# Altium PCB PCB_WINGLET_V1P_OSR.PcbDoc (part 3 of 4)
Units mm, origin at the board's own origin, x right, y up, seen from the top; angles counter-clockwise.
Board outline 100 x 150 mm, 4 copper layers (L1, L2, L3, L4), stack 1.586 mm thick; 401 components, 270 nets, 1431 pads, 1117 vias.
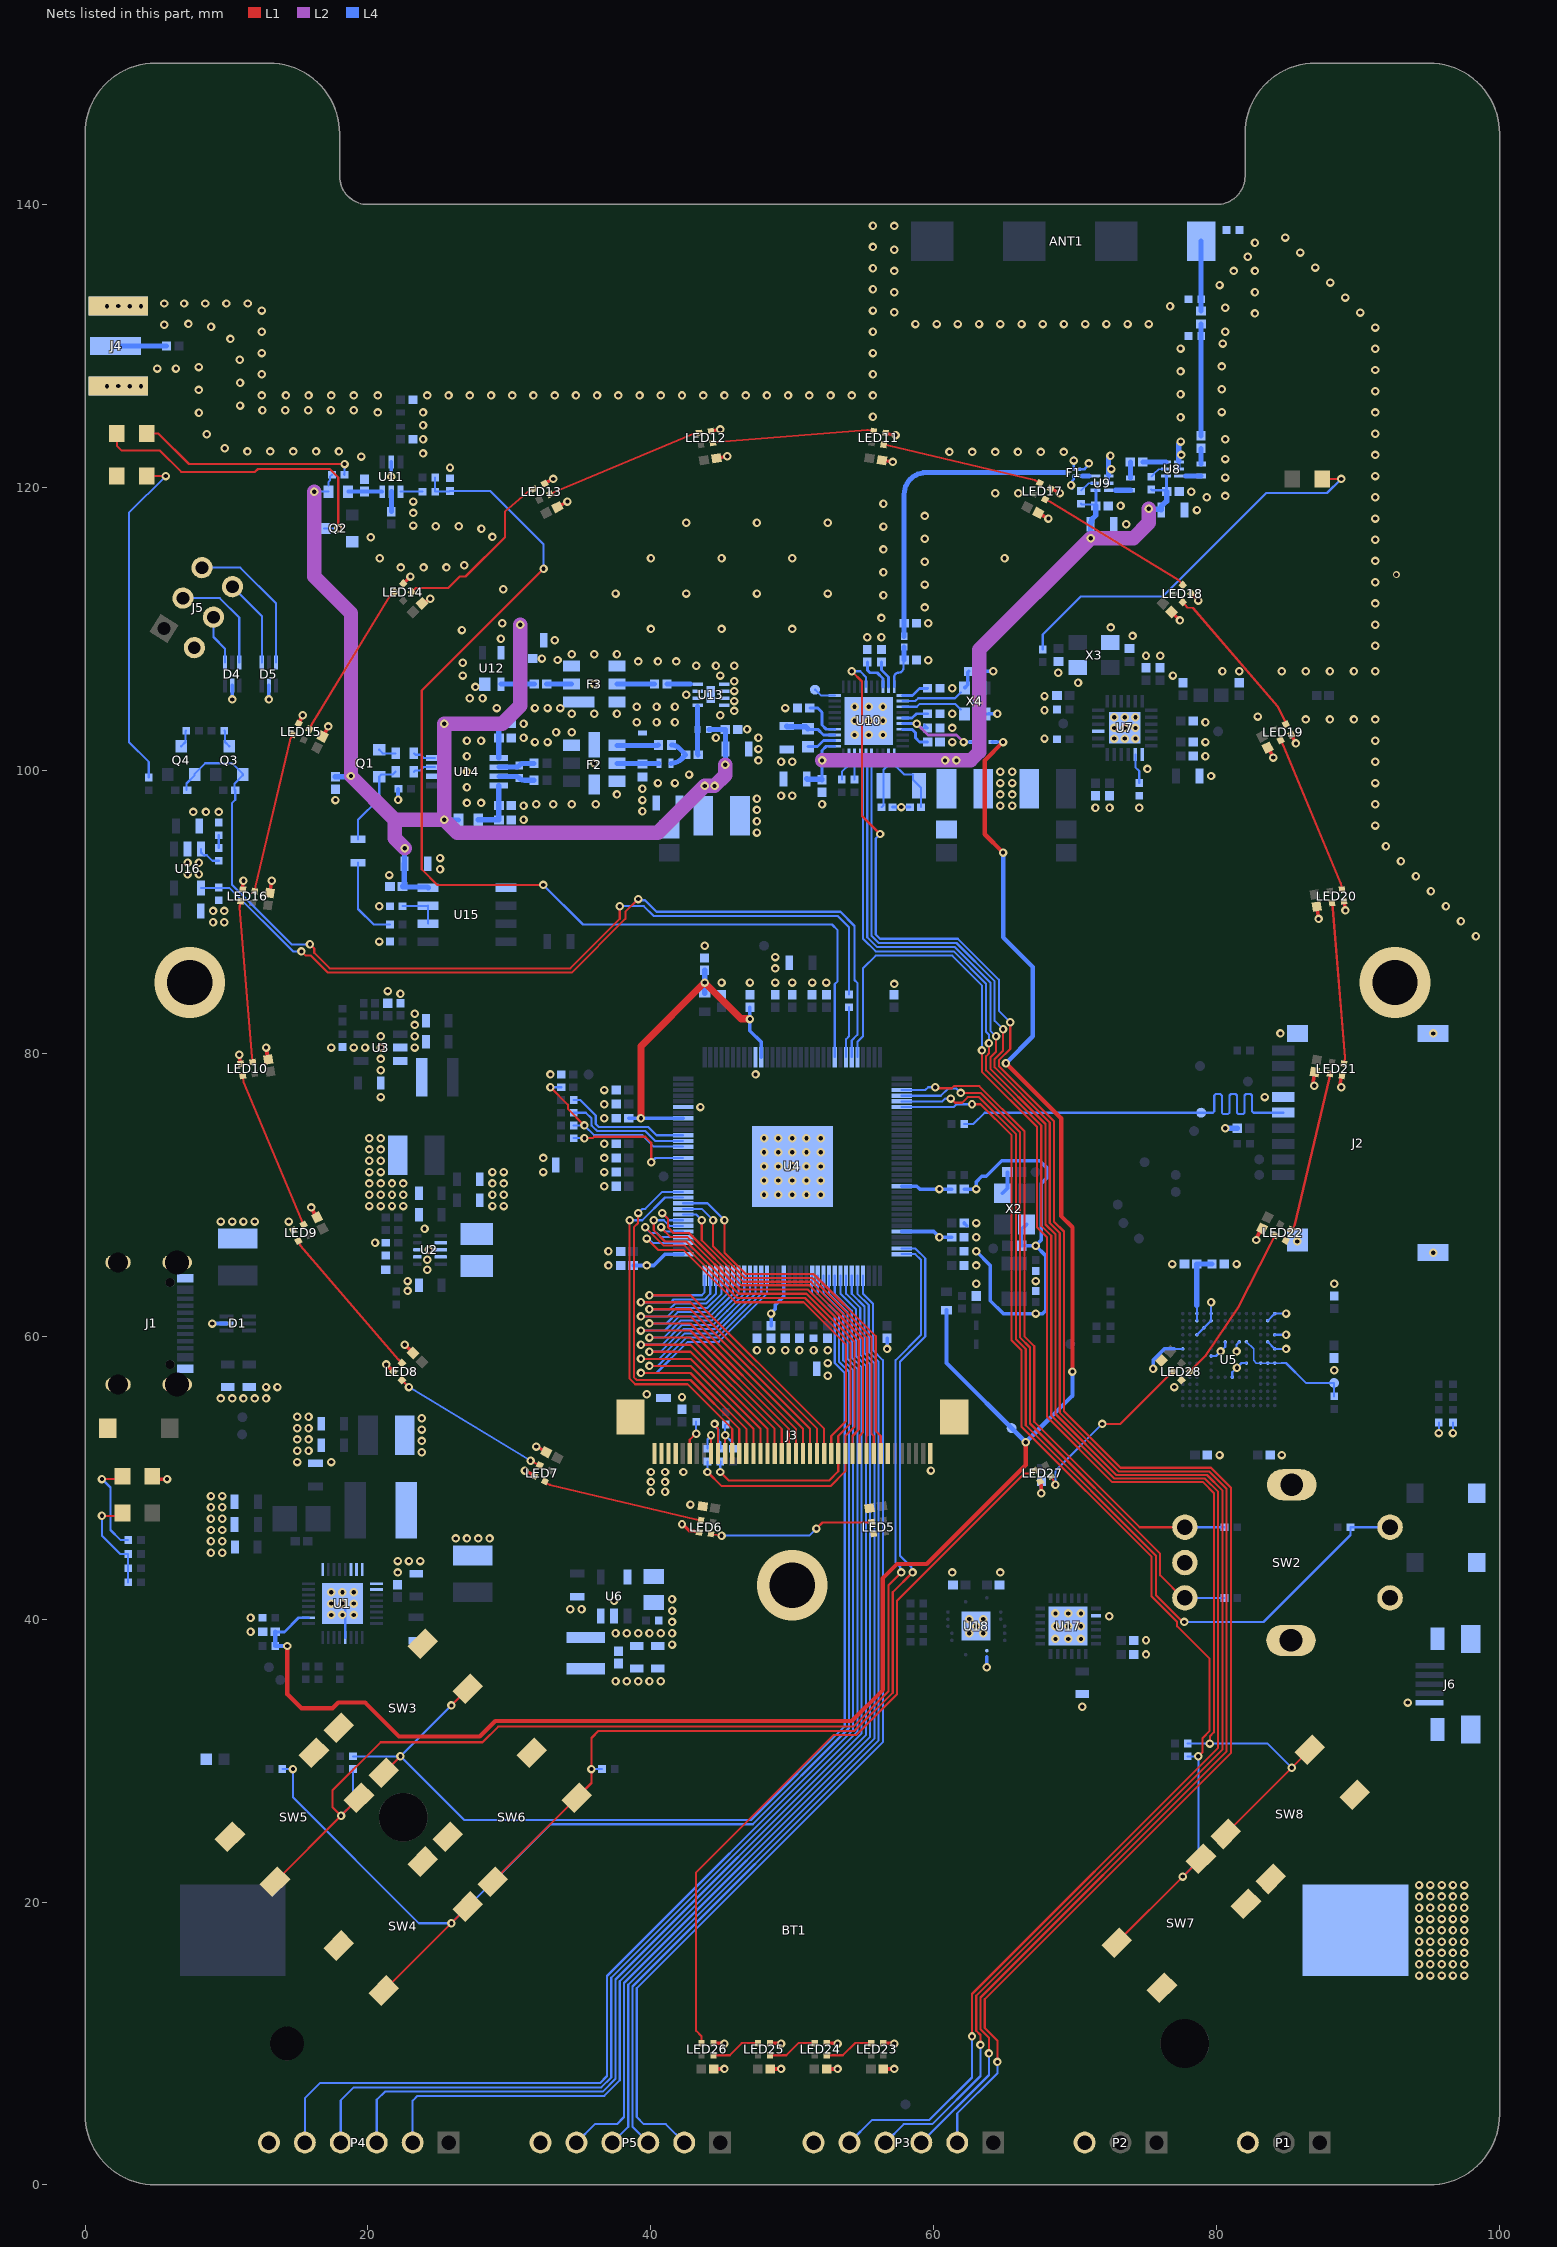
[diagram p5: the nets of this part, all layers, seen from the top]

## Via types
v1: diameter 0.6, hole 0.3, L1 to L4, tented both sides, 1103 vias
v2: diameter 0.61, hole 0.305, L1 to L4, tented both sides, 8 vias
v3: diameter 5, hole 3.2, L1 to L4, 3 vias
v4: diameter 10, hole 7, L1 to L4, 2 vias
v5: diameter 0.5, hole 0.3, L1 to L4, tented both sides, 1 vias

## Nets (pads, with @x,y where several pads share a name; then routed paths per layer and width w, separated by ;. In a path a pad name is that pad's centre, name@x,y a point inside that pad or via, vN(x,y) a via of type N, cw(c..) or ccw(c..) an arc to the next point about the centre after c; other vN are vias at no path point) (continued)
GND: BT1.1 C1.1 C2.1 C3.1 C4.1 C5.1 C6.1 C7.1 C8.1 C9.1 C10.1 C12.1 C13.1 C14.1 C15.1 C16.1 C17.1 C18.1 C19.1 C20.1 C21.1 C22.1 C23.1 C24.1 C25.1 C26.1 C27.1 C28.1 C29.1 C30.1 C31.1 C32.1 C33.1 C34.1 C35.1 C36.1 C37.1 C38.1 C39.1 C40.1 C41.1 C42.1 C43.1 C44.1 C45.1 C46.1 C47.1 C48.1 C49.1 C50.1 C51.1 C52.1 C53.1 C54.1 C55.1 C56.1 C57.1 C58.1 C59.1 C60.1 C61.1 C62.1 C63.1 C64.1 C65.1 C66.1 C67.1 C68.1 C69.1 C70.1 C71.1 C72.1 C73.1 C74.1 C75.1 C76.1 C78.1 C79.1 C80.1 C81.1 C82.1 C83.1 C84.1 C85.1 C86.1 C87.1 C88.1 C89.1 C90.1 C91.1 C92.1 C93.2 C94.1 C95.2 C98.1 C99.1 C100.1 C101.1 C102.1 C103.1 C104.1 C105.1 C106.1 C107.1 C108.1 C109.1 C110.1 C111.1 C112.1 C113.1 C116.1 C117.1 C118.1 C119.1 C120.1 C121.1 C122.1 C127.1 C128.1 C131.1 C132.1 C133.1 C134.1 C135.1 C136.1 C137.1 C138.1 C139.1 C140.1 C141.1 C142.1 C143.1 C144.1 C145.1 C146.1 C147.1 C148.1 C149.1 C150.1 C151.1 C152.1 C153.1 C154.1 C155.1 C156.1 C157.1 C158.1 C159.1 C160.1 C161.1 C162.1 C163.1 C164.1 C165.1 C166.1 C167.1 D1.2 D4.2 D5.2 F1.2 F1.3 F1.5 F2.3 F2.4 F2.7 F2.8 F3.1 F3.3 F3.4 F3.6 J1.1 J1.2 J1.3 J1.4 J1.A1-B12 J1.B1-A12 J2.6 J2.MNT J3.1 J3.7 J3.37 J3.MNT J4.2 J4.3 J4.4 J4.5 J5.2 J6.5 J6.MNT L10.2 LED2.1 LED5.3 LED6.3 LED7.3 LED8.3 LED9.3 LED10.3 LED11.3 LED12.3 LED13.3 LED14.3 LED15.3 LED16.3 LED17.3 LED18.3 LED19.3 LED20.3 LED21.3 LED22.3 LED23.3 LED24.3 LED25.3 LED26.3 LED27.3 LED28.3 LED29.1 P1.3 P2.3 P3.6 P4.6 P5.6 Q2.2 R6.1 R9.2 R14.2 R15.1 R16.2 R19.1 R22.2 R25.1 R28.1 R42.1 R43.2 R44.1 R45.1 R46.1 R53.1 R61.1 R63.1 R69.2 R72.2 R92.2 R93.2 SW1.2 SW2.C SW2.E SW2.MNT SW3.2 SW4.2 SW5.2 SW6.2 SW7.2 SW8.2 SW9.2 SW10.2 U1.9 U1.14 U1.28 U1.EPAD U2.2 U2.3 U2.8 U3.2 U4.91 U4.106 U4.EPAD U5.A6 U5.C4 U5.D3 U5.E1 U5.E2 U5.E7 U5.G5 U5.H10 U5.J5 U5.K8 U5.N2 U5.N5 U5.P1 U5.P4 U5.P6 U6.2 U7.13 U7.21 U7.25 U8.1 U8.2 U9.1 U9.2 U10.41 U11.2 U12.2 U12.4 U13.2 U13.3 U13.5 U13.6 U13.7 U13.8 U13.PAD U14.6 U15.5 U16.2 U17.2 U17.25 U18.7 U18.15 X2.2 X2.4 X3.2 X3.4 X4.2 Z2.1 Z3.1 Z4.1 Z6.1 Z7.1 | length 98.7
  L1 w0.254: LED2.1@4.55,49.9 v1(5.8,49.9) ; v1(10.9,79.9) 10.987,79.348 LED10.3@11.014,79.253 ; LED16.3@11.147,91.586 11.127,91.689 v1@11.206,92.191 ; v1(12.8,80.4) 12.899,79.775 C142.1@12.962,79.569 ; C148.1@13.069,91.335 13.096,91.546 v1(13.2,92.2) ; LED15.3@15.1,103.3 15.14,103.39 v1(15.4,103.9) ; v1(16,69.1) 16.272,68.566 C141.1@16.4,68.392 ; C147.1@16.8,102.392 16.928,102.566 v1(17.2,103.1) ; v1(21.3,58) 21.73,57.57 LED8.3@21.799,57.5 ; LED14.3@22.5,113.2 22.569,113.269 v1(23,113.7) ; v1(22.6,59.4) 23.038,58.962 C140.1@23.189,58.811 ; C146.1@23.811,111.811 23.996,111.811 24.306,112.121 v1(24.4,112.121) ; v1(31.1,50.5) 31.684,50.202 LED7.3@31.757,50.129 ; v1(31.9,52.2) 32.434,51.928 C139.1@32.608,51.8 ; LED13.3@32.486,120.272 32.567,120.328 v1(33.1,120.6) ; C145.1@33.392,118.6 33.566,118.728 v1(34.1,119) ; v1(42.2,46.7) 42.242,46.7 42.703,46.24 42.828,46.24 43.317,46.162 LED6.3@43.414,46.147 ; LED12.3@44.253,123.986 44.348,124.013 v1(44.9,124.1) ; LED26.3@44.437,10.012 v1@45.188,10.012 ; C158.1@44.44,8.2 v1(45.2,8.2) ; C144.1@44.635,122.069 44.843,122.112 v1(45.4,122.2) ; LED25.3@48.437,10.013 v1@49.188,10.013 ; C157.1@48.44,8.2 v1(49.2,8.2) ; LED24.3@52.437,10.012 v1@53.188,10.012 ; C156.1@52.44,8.2 v1(53.2,8.2) ; C143.1@56.335,121.931 56.543,121.888 v1(57.1,121.8) ; LED23.3@56.425,10.025 56.437,10.012 57.188,10.012 v1(57.2,10) ; C155.1@56.44,8.2 v1(57.2,8.2) ; LED11.3@56.586,123.853 56.677,123.799 v1(57.3,123.7) ; C149.1@67.392,118.2 67.566,118.072 v1(68.1,117.8) ; LED27.3@67.514,49.728 67.6,49.4 v1(67.6,48.9) ; LED17.3@68.257,119.914 68.35,119.88 v1(68.9,119.6) ; C150.1@76.811,111.189 76.962,111.038 v1(77.4,110.6) ; LED18.3@78.201,112.5 78.27,112.43 v1(78.7,112) ; v1(82.8,66.8) 82.8,66.9 C154.1@83.072,67.434 ; C151.1@83.6,101.608 83.728,101.434 v1(84,100.9) ; LED19.3@85.272,102.514 85.328,102.433 v1(85.6,101.9) ; v1(86.9,77.7) 86.8,77.8 C153.1@86.904,78.454 ; C152.1@87.069,90.365 87.096,90.154 v1(87.2,89.5) ; v1(88.8,77.6) 88.7,77.7 88.799,78.323 LED21.3@88.853,78.414 ; LED20.3@88.986,90.747 89.013,90.652 v1(89.1,90.1) ; C154.1@83.072,67.434 83.072,67.48 C154.1@83.2,67.608 C154.1@83.072,67.434 ; C153.1@86.904,78.454 86.904,78.638 C153.1@86.931,78.665 C153.1@86.904,78.454
  L4 w0.152: 77,59.1 U5.A6@77.6,59.1 ; U5.C4@78.6,60.1 U5.D3@79.1,60.6 U5.E2@79.6,61.1 U5.E1@79.6,61.6 v1(79.6,62.4) ; U5.E7@79.6,58.6 79.95,58.6 v1(80.275,58.925) 80.6,59.25 U5.G5@80.6,59.6 ; U5.H10@81.1,57.1 81.1,57.45 v1(81.425,57.775) 81.75,58.1 U5.K8@82.1,58.1 ; v1(81.4,58.925) 81.4,59.4 U5.J5@81.6,59.6 ; U5.N5@83.6,59.6 U5.P6@84.1,59.1 v1(84.9,59.1) ; U5.N2@83.6,61.1 U5.P1@84.1,61.6 v1(84.9,61.6) ; U5.P4@84.1,60.1 v1(84.9,60.1) ; v1(95.7,53.15) R92.2@95.7,53.9 ; v1(96.7,53.15) R93.2@96.7,53.9
  L4 w0.178: v1@69.773,119.914 69.773,120.445 69.891,120.563 F1.5@69.891,120.791 ; F1.2@69.9,121.3 v1@69.9,122.138 ; F1.3@70.311,121.3 70.661,121.3 70.9,121.539 v1@70.9,121.9
  L4 w0.203: v1(18.2,41.1) 18.4,40.9 U1.28@18.4,38.7 ; C113.1@57.09,97.4 v1(57.7,97.4) C112.1@58.31,97.4 ; U9.2@72.365,120.4 U9.1@72.365,120.8 ; U8.2@77.33,121.4 U8.1@77.33,121.8
  L4 w0.254: v1(8.999,60.897) D1.2@9.995,60.897 ; v1(10.4,105.01) D4.2@10.4,106.005 ; v1(13,105.01) D5.2@13,106.005 ; v1(21.65,120.75) U11.2@21.65,121.8 ; v1(22.125,97.925) 22.125,98.675 R63.1@22.15,98.7 ; v1(56.7,59.1) C60.1@56.7,59.86 ; C38.1@62.14,68 C38.1@62.333,67.807 ; C39.1@62.14,70.4 v1(63,70.4) 63,70.9 63.4,71.3 63.7,71.3 64.8,72.4 67.5,72.4 67.97,71.93 67.97,71.17 67.6,70.8 67.6,66.8 v1(67.2,66.4) ; v1(63,66) 64,65 64,62.5 64.9,61.6 v1(67.2,61.6) 67.7,61.6 67.9,61.8 67.9,65.7 v1(67.2,66.4) ; C111.1@63.34,107 v1(64.2,107) ; X4.2@63.625,103.975 63.898,104 v1(64.5,104) ; v1(63.75,36.6) 63.75,37.35 ; X2.2@64.85,70.1 65.21,70.46 C57.1@65.21,71.6 ; X2.4@66.55,67.9 66.19,67.54 C56.1@66.19,66.4 v1(67.2,66.4) ; v1(67.6,48.9) C159.1@67.6,49.76 ; v1(75.5,57.7) 75.5,58.3 76.3,59.1 77,59.1
  L4 w0.381: U9.1@72.35,120.875 v1@72.35,122.05 ; U8.1@77.315,121.875 77.315,123.05 77.45,123.185 v1(77.45,123.244) ; v1(80.6,74.7) C62.1@81.46,74.7
  other v1: 45.2,10 49.2,10 53.2,10 94.3,14.8 95.1,14.8 95.9,14.8 96.7,14.8 97.5,14.8 94.3,15.6 95.1,15.6 95.9,15.6 96.7,15.6 97.5,15.6 94.3,16.4 95.1,16.4 95.9,16.4 96.7,16.4 97.5,16.4 94.3,17.2 95.1,17.2 95.9,17.2 96.7,17.2 97.5,17.2 94.3,18 95.1,18 95.9,18 96.7,18 97.5,18 94.3,18.8 95.1,18.8 95.9,18.8 96.7,18.8 97.5,18.8 94.3,19.6 95.1,19.6 95.9,19.6 96.7,19.6 97.5,19.6 94.3,20.4 95.1,20.4 95.9,20.4 96.7,20.4 97.5,20.4 94.3,21.2 95.1,21.2 95.9,21.2 96.7,21.2 97.5,21.2 70.5,33.8 93.5,34.1 75,37.5 41.5,38.2 75,38.5 68.6,38.6 69.5,38.6 70.4,38.6 37.5,39 38.3,39 39.1,39 39.9,39 40.7,39 41.5,39 62.5,39 63.5,39 11.7,39.1 63,39.5 68.6,39.5 69.5,39.5 70.4,39.5 41.5,39.8 62.5,40 63.5,40 11.7,40.1 72.4,40.2 17.4,40.3 18.2,40.3 19,40.3 68.6,40.4 69.5,40.4 70.4,40.4 41.5,40.6 34.3,40.7 35.1,40.7 17.4,41.1 19,41.1 37.4,41.3 41.5,41.4 17.4,41.9 18.2,41.9 19,41.9 22.1,43.3 61.3,43.3 64.7,43.3 22.1,44.1 22.9,44.1 23.7,44.1 8.9,44.7 9.7,44.7 8.9,45.5 9.7,45.5 26.2,45.7 27,45.7 27.8,45.7 28.6,45.7 8.9,46.3 9.7,46.3 8.9,47.1 9.7,47.1 8.9,47.9 9.7,47.9 42.8,48.1 8.9,48.7 9.7,48.7 42.3,50.4 59.8,50.5 15,51.1 17.4,51.1 80.2,51.6 84.6,51.6 23.8,51.8 15,51.9 15.8,51.9 23.8,52.6 15,52.7 15.8,52.7 23.8,53.4 15,53.5 15.8,53.5 23.8,54.2 15,54.3 15.8,54.3 9.6,55.6 10.4,55.6 11.2,55.6 12,55.6 12.8,55.6 42.2,55.7 39.7,55.9 12.8,56.4 13.6,56.4 77,56.4 52.5,57.2 88.3,57.6 52.5,58.1 47.5,59 48.5,59 49.5,59 50.5,59 51.5,59 52.5,59 22.8,63.2 63,63.7 88.3,63.7 22.8,63.9 67.2,63.9 24.2,64.7 37,65 63,65 76.86,65.1 81.4,65.1 24.2,65.4 95.3,65.9 37,66 24.3,66.1 20.5,66.6 85.7,66.7 63,67 24,67.6 63,68 9.6,68.1 10.4,68.1 11.2,68.1 12,68.1 14.4,68.1 20.1,69.2 20.9,69.2 21.7,69.2 22.5,69.2 28.8,69.2 29.6,69.2 20.1,70 20.9,70 21.7,70 22.5,70 28.8,70 29.6,70 48,70 49,70 50,70 51,70 52,70 36.7,70.6 20.1,70.8 20.9,70.8 21.7,70.8 22.5,70.8 28.8,70.8 29.6,70.8 48,71 49,71 50,71 51,71 52,71 20.1,71.6 20.9,71.6 28.8,71.6 29.6,71.6 32.4,71.6 36.7,71.6 48,72 49,72 50,72 51,72 52,72 20.1,72.4 20.9,72.4 32.4,72.6 36.7,72.6 48,73 49,73 50,73 51,73 52,73 20.1,73.2 20.9,73.2 36.7,73.6 20.1,74 20.9,74 48,74 49,74 50,74 51,74 52,74 36.7,75.4 43.5,76.2 36.7,76.4 20.9,76.9 83.4,76.9 36.7,77.4 32.9,78.5 47.4,78.5 20.9,78.8 20.9,79.6 17.4,80.4 19,80.4 19.8,80.4 20.9,80.4 23.3,80.4 20.9,81.2 23.3,81.2 84.5,81.4 95.3,81.4 23.3,82 23.3,82.8 22.3,84.2 21.4,84.4 57.2,84.9 45,85 47,85 48.8,85 50,85 51.4,85 52.4,85 48.8,86 48.8,86.8 43.8,87.6 20.8,87.9 98.325,88.275 9.05,89.26 9.85,89.26 97.264,89.336 9.05,90.06 9.85,90.06 96.203,90.397 20.8,90.4 95.143,91.457 11.2,92.2 94.082,92.518 21.5,92.6 7.25,92.66 8.05,92.66 25.1,93 7.25,93.46 8.05,93.46 93.021,93.579 25.1,93.8 91.961,94.639 47.5,95.6 91.2,96.1 47.5,96.4 31,96.5 7.65,97.06 8.55,97.06 9.45,97.06 39.4,97.1 47.5,97.2 71.425,97.35 72.425,97.35 74.525,97.35 31,97.5 64.7,97.5 65.55,97.5 31.9,97.6 33.1,97.6 34.4,97.6 36.1,97.6 52.1,97.6 91.2,97.6 27,97.7 28,97.7 17.7,97.9 39.4,97.9 47.5,98 49.2,98.2 50,98.2 37.6,98.3 64.7,98.3 65.55,98.3 39.4,98.7 27,98.8 40.5,99.1 41.7,99.1 64.7,99.1 65.55,99.1 91.2,99.1 79.6,99.6 42.7,99.7 27,99.9 64.7,99.9 65.55,99.9 75.1,100.1 36,100.5 49.2,100.6 50,100.6 91.2,100.6 47.6,100.7 27,101 79.2,101 47.6,101.5 31.8,102 32.7,102 61.3,102 79.2,102 27,102.1 28,102.1 91.2,102.1 67.825,102.25 72.75,102.25 73.5,102.25 74.25,102.25 31,102.3 44.6,102.3 47.6,102.3 54.4,102.5 55.4,102.5 56.4,102.5 33.3,102.7 34.4,102.7 46.8,102.9 61.3,103 72.75,103 73.5,103 74.25,103 31,103.3 39,103.4 40.4,103.4 41.7,103.4 79.2,103.4 54.4,103.5 55.4,103.5 56.4,103.5 86.3,103.6 88,103.6 89.7,103.6 91.2,103.6 72.75,103.75 73.5,103.75 74.25,103.75 82.9,103.8 44.9,103.9 34.4,104 36,104 37.6,104 61.3,104 45.9,104.2 67.825,104.25 29.1,104.4 31.8,104.4 32.7,104.4 33.6,104.4 49.5,104.4 39,104.5 40.4,104.5 41.7,104.5 54.4,104.5 55.4,104.5 56.4,104.5 45.9,104.9 27.2,105.1 28.1,105.1 67.825,105.25 42.5,105.349 45.9,105.6 61.3,105.8 27.6,105.9 36,106.1 70.2,106.2 45.9,106.3 26.7,106.7 44.9,106.7 76.9,106.7 68.8,106.9 80.4,107 81.6,107 84.6,107 86.3,107 88,107 89.7,107 91.2,107 43.2,107.4 44.6,107.4 45.9,107.4 26.7,107.6 39.1,107.7 40.5,107.7 41.8,107.7 59.6,107.779 33.4,107.8 32.3,107.9 75,108.1 76,108.1 34.4,108.2 36,108.2 37.6,108.2 91.2,108.8 33.2,109.2 29.4,109.3 55.3,109.4 56.3,109.4 74.05,109.5 26.643,109.919 40,110 45,110 50,110 72.5,110.1 91.2,110.3 29.5,110.4 59.6,110.4 56.302,110.771 59.357,111.518 91.2,111.8 56.443,112.381 37.5,112.5 42.5,112.5 47.5,112.5 52.5,112.5 29.557,112.807 59.357,113.134 91.2,113.3 56.443,113.997 22.319,114.345 23.935,114.343 25.551,114.343 26.8,114.5 59.357,114.75 91.2,114.8 20.84,114.997 40,115 45,115 50,115 65,115 56.443,115.613 91.2,116.3 59.357,116.366 20.196,116.479 28.8,116.5 28.022,117.074 56.443,117.229 24.801,117.257 26.417,117.257 23.2,117.3 73.6,117.4 42.5,117.5 47.5,117.5 52.5,117.5 91.2,117.8 59.357,117.982 23.2,118.2 78.6,118.4 73.2,118.7 56.443,118.845 23.2,119 79.3,119.3 91.2,119.3 80.6,119.4 64.351,119.593 65.967,119.593 78.2,119.7 69.703,120.146 80.6,120.7 91.2,120.8 72.535,121.3 25.8,121.4 70.954,121.696 69.9,121.9 80.6,122 19.524,122.179 72.485,122.244 77.5,122.3 91.2,122.3 23.9,122.4 61.103,122.507 62.719,122.507 64.335,122.507 65.951,122.507 67.567,122.507 69.183,122.507 11.485,122.543 13.101,122.543 14.717,122.543 16.333,122.543 17.949,122.543 9.885,122.766 23.9,123.4 80.6,123.4 8.609,123.758 91.2,123.8 23.9,124.4 77.443,124.963 55.7,125 8.054,125.276 20.7,125.3 23.9,125.3 91.2,125.3 80.357,125.323 12.54,125.457 14.156,125.457 15.772,125.457 17.388,125.457 19.004,125.457 10.957,125.785 12.5,126.5 14.2,126.5 15.8,126.5 17.4,126.5 19,126.5 20.7,126.5 24.2,126.5 25.7,126.5 27.2,126.5 28.7,126.5 30.2,126.5 31.7,126.5 33.2,126.5 34.7,126.5 36.2,126.5 37.7,126.5 39.2,126.5 40.7,126.5 42.2,126.5 43.7,126.5 45.2,126.5 46.7,126.5 48.2,126.5 49.7,126.5 51.2,126.5 52.7,126.5 54.2,126.5 55.7,126.5 77.443,126.579 91.2,126.8 8.043,126.892 80.357,126.939 10.957,127.401 12.5,128 55.7,128 77.443,128.195 91.2,128.3 5.1,128.4 6.43,128.404 8.043,128.508 80.357,128.555 10.935,129.017 12.5,129.5 55.7,129.5 77.443,129.811 91.2,129.8 80.418,130.17 10.281,130.495 12.5,131 55.7,131 80.6,131 91.2,131.3 8.914,131.357 5.6,131.5 7.31,131.553 58.7,131.55 60.2,131.55 61.7,131.55 63.2,131.55 64.7,131.55 66.2,131.55 67.7,131.55 69.2,131.55 70.7,131.55 72.2,131.55 73.7,131.55 75.2,131.55 82.7,132.3 57.2,132.375 90.139,132.361 12.5,132.5 55.7,132.5 80.6,132.7 76.7,132.8 5.6,133 7,133 8.5,133 10,133 11.5,133 89.079,133.421 57.2,133.8 82.7,133.8 55.7,134 80.2,134.3 88.018,134.482 57.2,135.3 81.2,135.3 82.7,135.3 55.7,135.5 86.957,135.543 82.2,136.3 85.897,136.603 57.2,136.8 55.7,137 82.7,137.3 84.836,137.664 57.2,138.48 55.7,138.5
  other v2: 1.56,127.15 3.16,127.15 3.96,127.15 2.36,127.175 1.56,132.8 3.16,132.8 3.96,132.8 2.36,132.825
  other v3: 50,42.4 7.4,85 92.6,85
  other v5: 92.696,113.834
GNSS_ANT: ANT1.1 Z1.2 Z2.2 Z3.2 | length 4.9
  L4 w0.356: Z1.2@78.9,132.46 ANT1.1@78.9,137.4
GNSS_NRST: P3.5 U10.17 | length 128.9
  L1 w0.152: v1(62.7,10.5) 62.7,13.5 80.1,30.9 80.1,49 79.162,49.938 72.762,49.938 68.3,54.4 68.3,67.1 67.6,67.8 67.6,74.9 63.7,78.8 63.7,79.8 63.9,80 v1(63.9,80.7)
  L4 w0.152: P3.5@54.04,3 55.64,4.6 59.7,4.6 62.7,7.6 v1(62.7,10.5) ; U10.17@54.8,101.1 54.8,100.4 55,100.2 55,88.1 55.9,87.2 61.4,87.2 63.7,84.9 63.7,81.5 63.9,81.3 v1(63.9,80.7)
GNSS_ONOFF: TP27.1 U10.30 | length 1.6
  L4 w0.152: TP27.1@51.6,105.7 51.618,105.7 52.018,105.3 U10.30@53,105.3
GNSS_PPS: P3.2 U10.35 | length 133.6
  L1 w0.152: v1(54.2,107) 54.922,106.278 54.922,96.778 v1(56.2,95.5) ; v1(64.5,8.7) 64.5,10.2 63.6,11.1 63.6,13.127 81,30.527 81,49.3 79.6,50.7 73.2,50.7 69.2,54.7 69.2,67.4 68.5,68.1 68.5,75.2 64.6,79.1 64.6,79.5 65.4,80.3 v1(65.4,82.2)
  L4 w0.152: v1(54.2,107) 54.8,107 55.2,106.6 U10.35@55.2,105.9 ; v1(56.2,95.5) 56.2,95.487 55.9,95.187 55.9,88.4 56.2,88.1 61.7,88.1 64.6,85.2 64.6,83 v1(65.4,82.2) ; P3.2@61.66,3 61.66,5.06 64.5,7.9 v1(64.5,8.7)
GNSS_RF_IN: C99.2 L8.2 U10.40 | length 3.2
  L4 w0.152: U10.40@57.2,105.9 57.2,106.6 cw(c57.5,106.6) 57.5,106.9 ccw(c57.5,107.26) 57.86,107.26 57.86,107.76 C99.2@57.9,107.8
  L4 w0.356: C99.2@57.9,107.8 L8.2@57.9,108.721
GNSS_RF_PI: C98.2 F1.1 L8.1 | length 22.3
  L4 w0.356: L8.1@57.9,109.479 C98.2@57.9,110.4 57.9,119.5 cw(c59.45,119.5) 59.45,121.05 69.281,121.05
GNSS_RF_SAW: F1.4 U9.6 | length 0.4
  L4 w0.356: 70.527,120.8 70.952,120.799
GNSS_RTC_XI: C113.2 U10.12 X5.1 | length 3.9
  L4 w0.152: C113.2@56.31,97.4 56.45,97.54 X5.1@56.45,98.9 56.45,100.05 56.8,100.4 U10.12@56.8,101.1
GNSS_RTC_XO: C112.2 U10.11 X5.2 | length 4.8
  L4 w0.152: U10.11@57.2,101.1 57.2,100.4 57.9,99.7 58.526,99.7 58.526,99.324 X5.2@58.95,98.9 59.09,98.76 C112.2@59.09,97.4
GNSS_RXD: R51.1 U10.18 | length 1.8
  L4 w0.152: R51.1@54.4,99.35 U10.18@54.4,101.1
GNSS_SWCLK: P3.3 U10.15 | length 125.4
  L1 w0.152: v1(63.9,9.3) 63.9,10.4 63.3,11 63.3,13.251 80.7,30.651 80.7,49.2 79.454,50.446 73.054,50.446 68.9,54.6 68.9,67.3 68.2,68 68.2,75.1 64.3,79 64.3,79.6 64.9,80.2 v1(64.9,81.7)
  L4 w0.152: U10.15@55.6,101.1 55.6,88.3 56.1,87.8 61.6,87.8 64.3,85.1 64.3,82.3 v1(64.9,81.7) ; P3.3@59.12,3 63.9,7.78 v1(63.9,9.3)
GNSS_SWDIO: P3.4 U10.16 | length 127.1
  L1 w0.152: v1(63.3,9.9) 63.3,10.6 63,10.9 63,13.376 80.4,30.776 80.4,49.1 79.308,50.192 72.908,50.192 68.6,54.5 68.6,67.2 67.9,67.9 67.9,75 64,78.9 64,79.7 64.4,80.1 v1(64.4,81.2)
  L4 w0.152: U10.16@55.2,101.1 55.2,100.4 55.3,100.3 55.3,88.2 56,87.5 61.5,87.5 64,85 64,81.6 v1(64.4,81.2) ; P3.4@56.58,3 57.88,4.3 59.9,4.3 63.3,7.7 v1(63.3,9.9)
GNSS_TXD: R50.1 U10.19 | length 2
  L4 w0.152: R50.1@53.5,99.35 53.5,99.9 54,100.4 U10.19@54,101.1
GNSS_VBAK: C109.2 D3.1 U10.6 | length 6.7
  L2 w0.203: v1(58.8,103.3) 59.6,102.5 61.6,102.5 v1(62.1,102)
  L4 w0.203: U10.6@57.8,103.3 v1(58.8,103.3) 59.1,103 C109.2@59.56,103 C109.2@59.352,103.208 ; v1(62.1,102) D3.1@62.825,102
GNSS_VCORE: C103.2 L9.1 U10.23 | length 3.7
  L4 w0.203: L9.1@51.1,102.926 51.126,102.9 51.8,102.9 52.2,102.5 U10.23@53,102.5
  L4 w0.381: C103.2@49.6,103.125 49.634,103.091 50.935,103.091 L9.1@51.1,102.926
GNSS_VDD12BB: C104.2 U10.24 | length 2.9
  L4 w0.203: C104.2@51.24,104.4 51.8,104.4 52.1,104.1 52.1,103.2 52.398,102.902 52.998,102.902 U10.24@53,102.9
GNSS_VDD12BK: C105.2 U10.5 | length 1.9
  L4 w0.203: U10.5@57.8,103.7 58.469,103.7 58.769,104 C105.2@59.56,104
GNSS_VDDANA: C106.2 U10.1 | length 2
  L4 w0.206: U10.1@57.8,105.3 58.5,105.3 58.993,105.793 59.553,105.793 C106.2@59.56,105.8
GNSS_VDDPLL: C108.2 U10.38 | length 2.5
  L4 w0.203: C108.2@55.3,107.66 55.3,107.1 55.5,106.9 56,106.9 56.398,106.502 56.398,105.902 U10.38@56.4,105.9
GNSS_VDDRF: C110.2 U10.39 | length 2
  L4 w0.203: C110.2@56.3,107.66 56.3,107.1 56.8,106.6 U10.39@56.8,105.9
GNSS_VXOUT: C111.2 U10.2 X4.4 | length 5.6
  L4 w0.152: U10.2@57.8,104.9 58.7,104.9 58.9,105.1 61.5,105.1 X4.4@61.9,105.5
  L4 w0.254: X4.4@62.175,105.825 62.4,106.05 62.4,106.94 C111.2@62.46,107
GNSS_XREF: U10.3 X4.3 | length 4.3
  L4 w0.152: U10.3@57.8,104.5 58.8,104.5 59,104.7 61.5,104.7 X4.3@61.9,104.3
GPIO_ADSB_ASW: R52.2 R53.2 R57.2 U4.120 | length 77
  L1 w0.152: v1(32.4,91.9) 24.9,91.9 23.8,93 23.8,105.642 v1(32.415,114.257)
  L4 w0.152: R57.2@24.75,120.7 R52.2@24.75,119.7 25.75,119.7 R53.2@25.8,119.75 28.65,119.75 32.415,115.985 v1(32.415,114.257) ; v1(32.4,91.9) 35.2,89.1 52.8,89.1 53.2,88.7 53.2,85.1 53,84.9 U4.120@53,79.725
GPIO_SAO_IORX: R82.1 U4.82 | length 9.4
  L1 w0.152: v1(35.3,74) 35.9,74 36,74.1 39.6,74.1 40.021,73.679 v1(40.021,72.3)
  L4 w0.152: R82.1@34.55,74 v1(35.3,74) ; v1(40.021,72.3) 40.321,72.6 U4.82@42.275,72.6
GPIO_SAO_IOTX: R27.2 R74.1 U4.84 | length 12.8
  L1 w0.152: v1(32.9,77.6) 34.13,76.37 34.13,76.07 v1(35.3,74.9)
  L4 w0.152: v1(32.9,77.6) R27.2@33.675,77.6 ; R74.1@34.55,74.9 v1(35.3,74.9) 36,74.2 39.4,74.2 40.2,73.4 U4.84@42.275,73.4
GPIO_SAO_NPULL: R83.1 U4.122 | length 3.6
  L4 w0.152: U4.122@53.8,79.725 53.8,81 54.001,81.201 54.001,83.249 R83.1@54,83.25
GPIO_SAO_PWREN: R69.1 U4.123 U16.4 | length 61.4
  L1 w0.152: v1(15.3,87.2) 15.6,86.9 15.976,86.9 17.176,85.7 34.4,85.7 38.2,89.5 38.2,90 v1(39.1,90.9)